# Altium PCB design.PcbDoc (part 2 of 4) (continued)
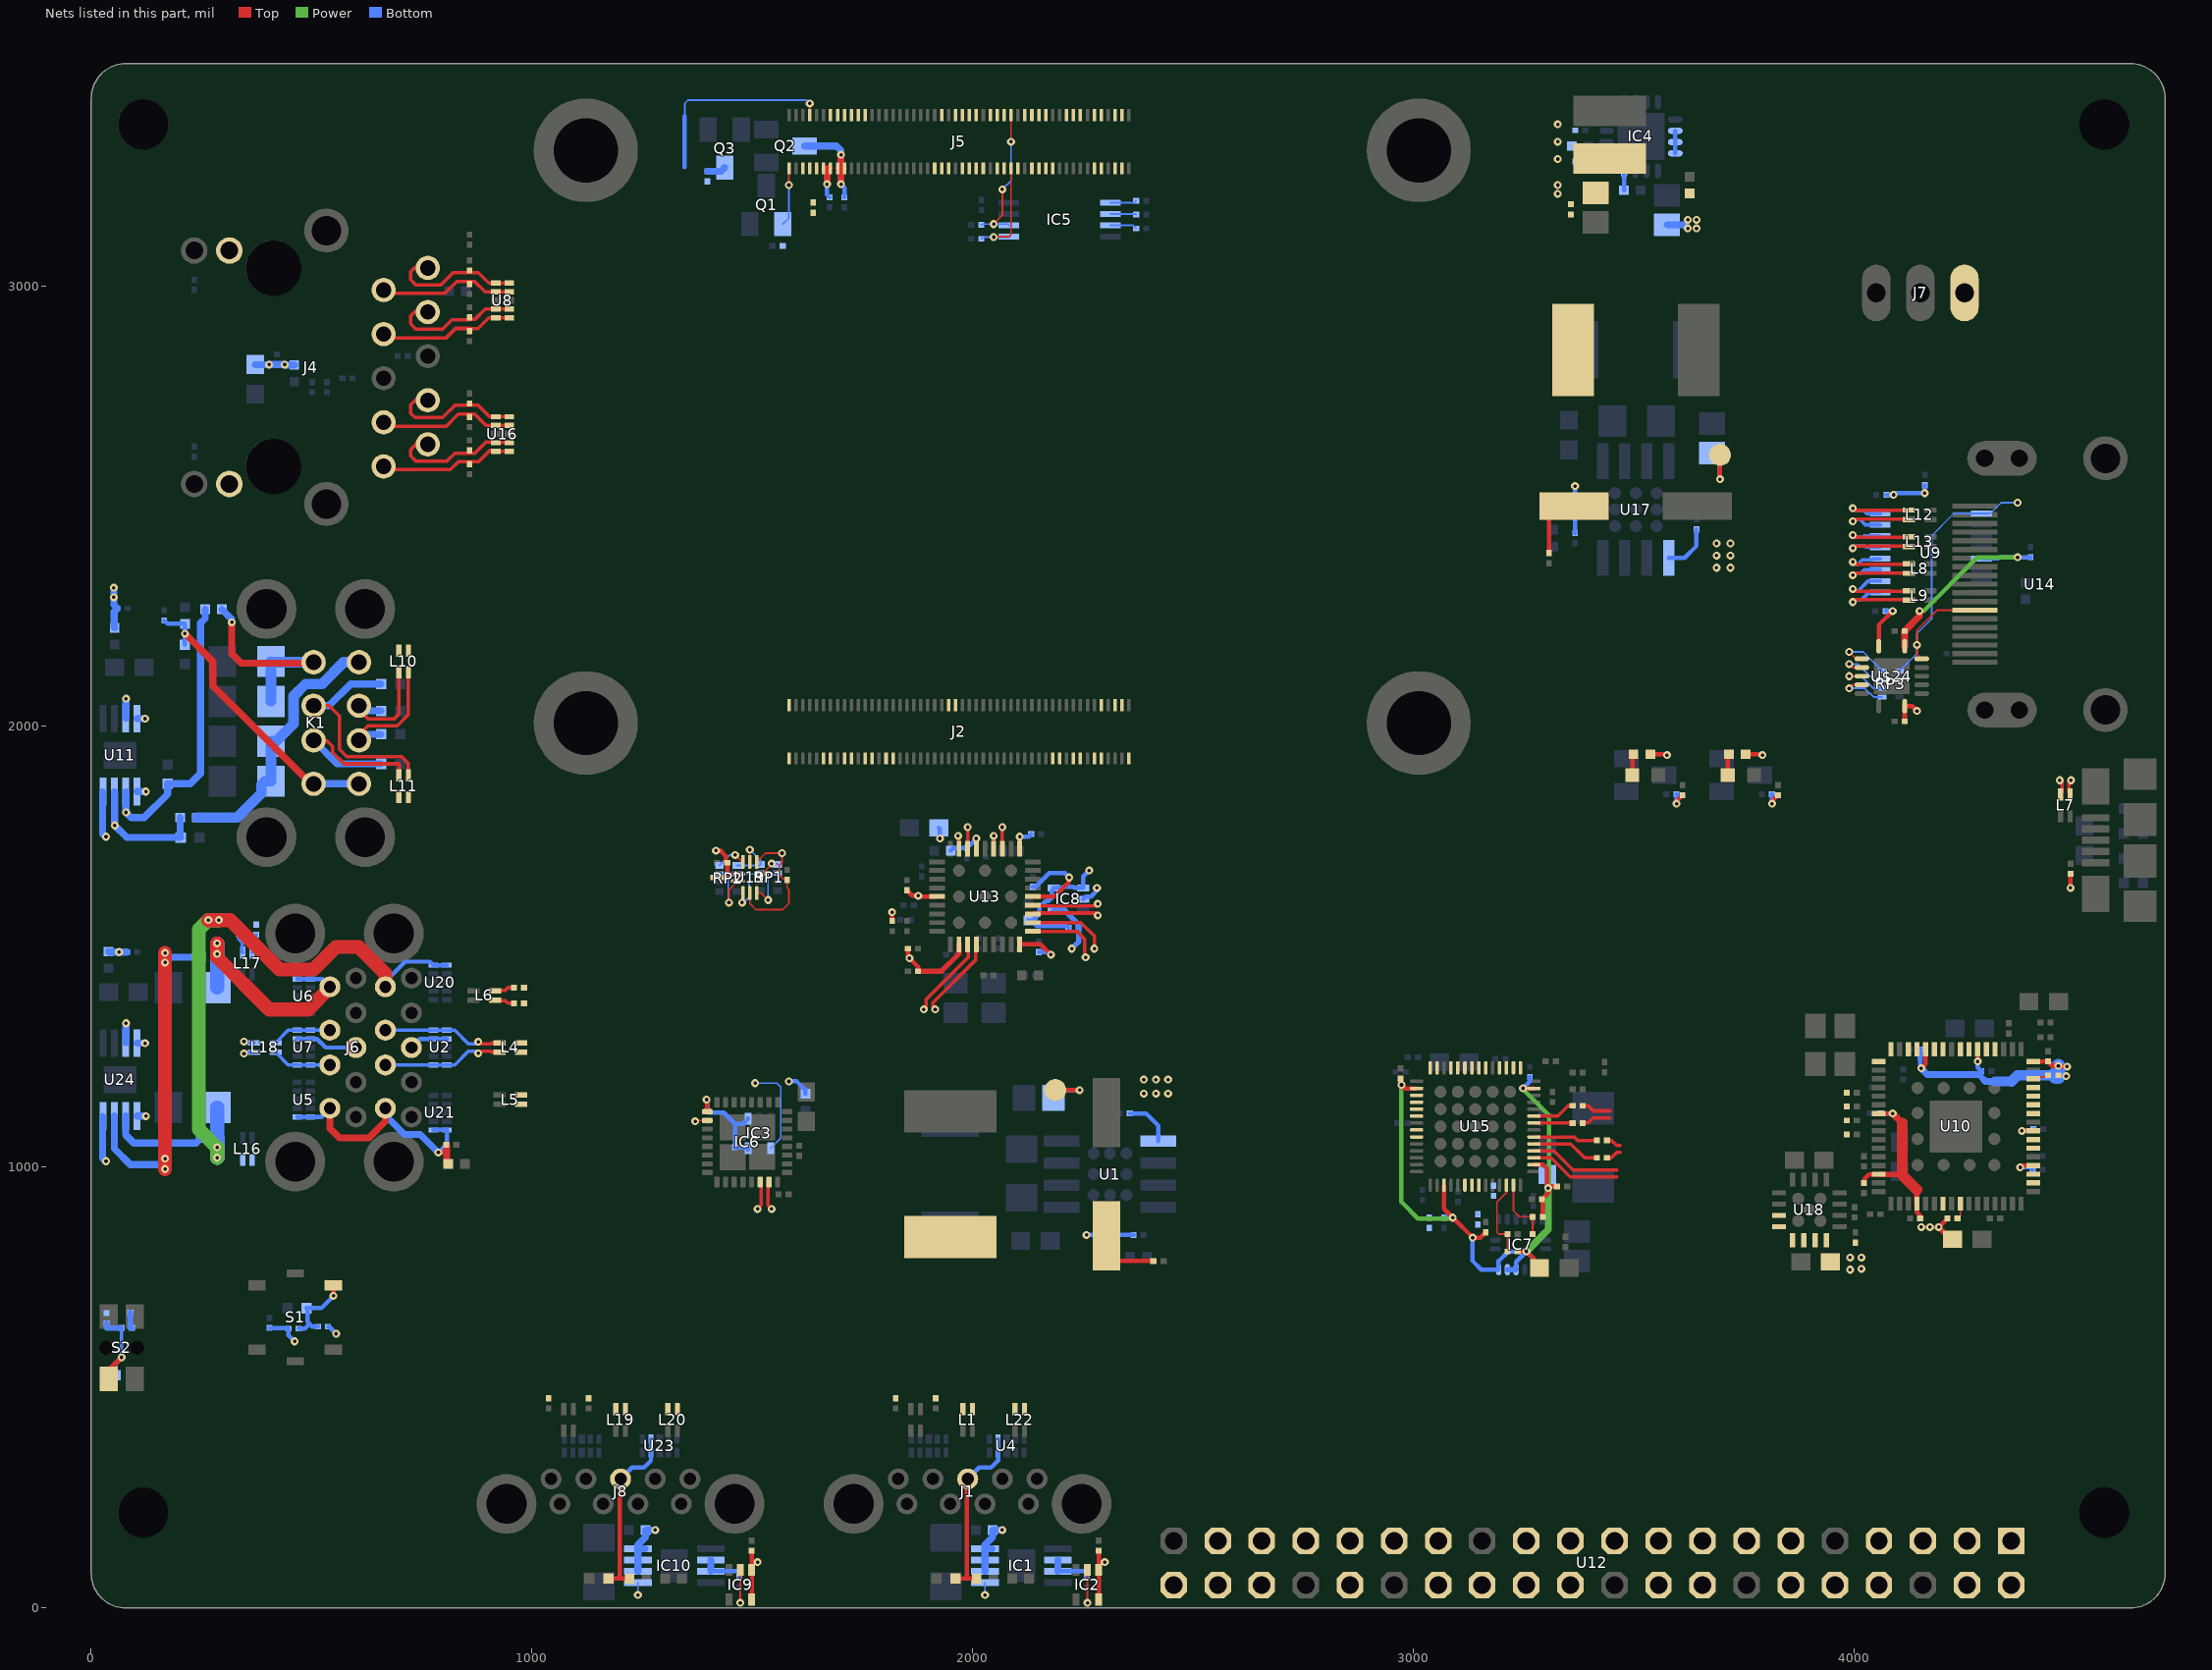
[diagram p4: the nets of this part, all layers, seen from the top]
## Nets (pads, with @x,y where several pads share a name; then routed paths per layer and width w, separated by ;. In a path a pad name is that pad's centre, name@x,y a point inside that pad or via, vN(x,y) a via of type N, cw(c..) or ccw(c..) an arc to the next point about the centre after c; other vN are vias at no path point) (continued)
  Top w7.87: J4.7@763.39,2740.16 734.25,2740.16 724.41,2730.32 724.41,2710.63 734.25,2700.79 797.1,2700.79 824.66,2728.35 857.87,2728.35 R23.1@858.27,2728.74 ; R23.1@858.27,2732.59 R23.1@858.27,2728.74 ; U16.10@948.23,2702.76 U16.1@917.91,2702.76 903.68,2702.76 878.09,2728.35 858.27,2728.35 R23.1@858.27,2728.74
14.1000BaseT_TR3_N: J4.10 J5.5 R58.1 U16.5 U16.6 | length 312.9
  Top w7.87: J4.10@663.39,2590.16 670.87,2582.68 815.1,2582.68 832.82,2600.39 R58.1@858.27,2600.39 ; R58.1@858.27,2595.36 R58.1@858.27,2600.39 ; U16.6@948.23,2624.02 U16.5@917.91,2624.02 917.91,2625.98 903.68,2625.98 878.09,2600.39 R58.1@858.27,2600.39
14.1000BaseT_TR3_P: J4.9 J5.3 R37.1 U16.4 U16.7 | length 312.7
  Top w7.87: J4.9@763.39,2640.16 736.61,2640.16 724.41,2627.95 724.41,2614.17 736.22,2602.36 806.95,2602.36 824.66,2620.08 R37.1@858.27,2620.08 ; R37.1@858.27,2626.3 R37.1@858.27,2620.08 ; U16.7@948.23,2643.7 U16.4@917.91,2643.7 917.91,2645.67 895.53,2645.67 869.94,2620.08 R37.1@858.27,2620.08
14.GPIO2_GPIO: J5.58 U12.3
14.GPIO3_GPIO: J5.56 U12.5
14.GPIO4_GPIO: J5.54 U12.7
14.GPIO5_GPIO: J5.34 U12.29
14.GPIO6_GPIO: J5.30 U12.31
14.GPIO7_GPIO: J5.37 U12.26
14.GPIO8_GPIO: J5.39 U12.24
14.GPIO9_GPIO: J5.40 U12.21
14.GPIO10_GPIO: J5.44 U12.19
14.GPIO11_GPIO: J5.38 U12.23
14.GPIO12_GPIO: J5.31 U12.32
14.GPIO13_GPIO: J5.28 U12.33
14.GPIO16_GPIO: J5.29 U12.36
14.GPIO17_GPIO: J5.50 U12.11
14.GPIO18_GPIO: J5.49 U12.12
14.GPIO19_GPIO: J5.26 U12.35
14.GPIO20_GPIO: J5.27 U12.38
14.GPIO21_GPIO: J5.25 U12.40
14.GPIO22_GPIO: J5.46 U12.15
14.GPIO23_GPIO: J5.47 R26.1 R28.2 U12.16 | length 46.5
  Top w10: v1(3812.99,1824.8) 3812.99,1830.63 R28.2@3826.38,1844.01
  Bottom w10: R26.1@3812.68,1846.46 3812.99,1846.15 v1(3812.99,1824.8)
14.GPIO24_GPIO: J5.45 U12.18
14.GPIO25_GPIO: J5.41 U12.22
14.GPIO26_GPIO: J5.24 U12.37
14.GPIO27_GPIO: J5.48 U12.13
14.HDMI0_CEC: J2.51 RP3.4 U$24.2 | length 127.8
  Top w4: v1(3988.19,2169.29) 4003.94,2153.54 U$24.2@4016.74,2153.54
  Bottom w4: v1(3988.19,2169.29) 4019.69,2169.29 RP3.4@4062.99,2125.99
14.HDMI0_CLOCK_N: J2.90 L9.2 U9.9 | length 206.4
  Top w7.87: v1(3996.06,2282.34) 3996.06,2287.4 4114.17,2287.4 4115.16,2286.42 L9.2@4123.03,2286.41
  Bottom w7.87: v1(3996.06,2282.34) 3996.06,2287.4 4015.89,2287.4 4032.62,2304.13 U9.9@4058.07,2304.13
14.HDMI0_CLOCK_P: J2.88 L9.3 U9.10 | length 210.3
  Top w7.87: v1(3996.06,2312.15) 3996.06,2307.09 4114.17,2307.09 4115.16,2308.07 L9.3@4123.03,2308.07
  Bottom w7.87: v1(3996.06,2312.15) 3996.06,2307.09 4007.73,2307.09 4030.37,2329.72 U9.10@4058.07,2329.72 U9.10@4059.06,2330.71
14.HDMI0_D0_N: J2.84 L8.2 U9.11 | length 207.9
  Top w7.87: v1(3996.06,2343.36) 3996.06,2348.43 4114.17,2348.43 4115.16,2347.44 L8.2@4123.03,2347.44
  Bottom w7.87: v1(3996.06,2343.36) 3996.06,2348.43 4015.89,2348.43 4022.78,2355.32 U9.11@4042.32,2355.32 ; U9.11@4039.37,2358.27 U9.11@4042.32,2355.32 ; U9.11@4059.06,2356.3 U9.11@4058.07,2355.31 U9.11@4042.32,2355.32
14.HDMI0_D0_P: J2.82 L8.3 U9.12 | length 206.8
  Top w7.87: v1(3996.06,2373.17) 3996.06,2368.11 4114.17,2368.11 4115.16,2369.09 L8.3@4123.03,2369.1
  Bottom w7.87: v1(3996.06,2373.17) 3996.06,2368.11 4007.73,2368.11 4017.58,2377.95 4039.37,2377.95 4041.34,2379.92 4059.06,2379.92 U9.12@4058.07,2380.9
14.HDMI0_D1_N: J2.78 L13.2 U9.13 | length 202.1
  Top w7.87: v1(3996.06,2404.39) 3996.06,2409.45 4114.17,2409.45 4115.16,2408.46 L13.2@4123.03,2408.46
  Bottom w7.87: v1(3996.06,2404.39) 3996.06,2409.45 4023.62,2409.45 4026.57,2406.5 U9.13@4058.07,2406.5 U9.13@4059.06,2407.48
14.HDMI0_D1_P: J2.76 L13.3 U9.14 | length 202.2
  Top w7.87: v1(3996.06,2434.2) 3996.06,2429.13 4114.17,2429.13 4115.16,2430.12 L13.3@4123.03,2430.12
  Bottom w7.87: v1(3996.06,2434.2) 3996.06,2429.13 4019.69,2429.13 4022.64,2432.09 U9.14@4058.07,2432.09 U9.14@4059.06,2431.1
14.HDMI0_D2_N: J2.72 L12.2 U9.15 | length 206.2
  Top w7.87: v1(3996.06,2465.41) 3996.06,2470.47 4122.05,2470.47 L12.2@4123.03,2469.49
  Bottom w7.87: v1(3996.06,2465.41) 3996.06,2470.47 4011.67,2470.47 4024.47,2457.68 U9.15@4058.07,2457.68 U9.15@4059.06,2456.69
14.HDMI0_D2_P: J2.70 L12.3 U9.16 | length 205.1
  Top w7.87: v1(3996.06,2495.22) 3996.06,2490.16 4122.05,2490.16 L12.3@4123.03,2491.14
  Bottom w7.87: v1(3996.06,2495.22) 3996.06,2490.16 4019.83,2490.16 4027.63,2482.35 U9.16@4058.99,2482.35 ; U9.16@4058.07,2483.27 U9.16@4058.99,2482.35 ; U9.16@4059.06,2482.28 U9.16@4058.99,2482.35
14.HDMI0_DDC_SCL: J2.100 RP3.3 U$24.3 | length 121.3
  Top w4: v1(3988.19,2141.73) 3996.06,2133.86 U$24.3@4016.74,2133.86
  Bottom w4: v1(3988.19,2141.73) 4007.87,2141.73 4043.31,2106.3 RP3.3@4062.99,2106.3
14.HDMI0_DDC_SDA: J2.99 RP3.2 U$24.4 | length 114.8
  Top w4: v1(3988.19,2114.17) U$24.4@4016.74,2114.17
  Bottom w4: v1(3988.19,2114.17) 4015.75,2114.17 4043.31,2086.61 RP3.2@4062.99,2086.62
14.HDMI0_HPD: J2.53 RP3.1 U$24.5 | length 114.8
  Top w4: v1(3988.19,2086.61) 3996.06,2094.49 U$24.5@4016.74,2094.48
  Bottom w4: v1(3988.19,2086.61) 4023.62,2086.61 4043.31,2066.93 RP3.1@4062.99,2066.93
14.HDMI0_LS_OE: 
14.I2C_ID_SCL: IC5.6 J5.35 R57.1 U12.28 | length 328.3
  Top w4: v1(2047.24,3139.76) 2066.93,3159.45 v1(2066.93,3218.5) ; v1(2086.61,3326.77) J5.35@2086.61,3387.4
  Bottom w4: R57.1@2019.37,3137.8 2021.34,3139.76 v1(2047.24,3139.76) 2078.74,3139.76 IC5.6@2081.69,3136.81 ; v1(2066.93,3218.5) 2086.61,3238.19 v1(2086.61,3326.77)
14.I2C_ID_SDA: IC5.5 J5.36 R56.1 U12.27 | length 256.2
  Top w4: v1(2047.24,3110.24) 2048.23,3111.22 2081.69,3111.22 2086.61,3116.14 J5.36@2086.61,3266.14
  Bottom w4: R56.1@2019.37,3106.3 2023.31,3110.24 v1(2047.24,3110.24) 2080.71,3110.24 IC5.5@2081.69,3111.22
14.nRESET_NRESET: C319.1 J5.92 R71.2 | length 38.4
  Bottom w12: C319.1@88.5,670.47 88.5,635.43 R71.2@91.82,635.43
14.PCIE_CLK_N: J2.12 U10.49
14.PCIE_CLK_P: J2.10 U10.48
14.PCIE_CLKREQ_GPIO: J2.2 R27.1 U10.9 | length 36
  Top w4: R27.1@4233.94,883.86 4240.16,890.07 U10.9@4240.15,917.32
14.PCIE_RST_GPIO: J2.9 R55.1 U10.30 | length 39.3
  Top w4: U10.30@4405.51,1200.79 4407.48,1198.82 4413.39,1204.72 4435.35,1204.72 ccw(c4435.35,1208.66) R55.1@4439.29,1208.66
14.PCIE_RX0_N: C273.1 J2.18
14.PCIE_RX0_P: C263.1 J2.16
14.PCIE_TX0_N: C253.1 J2.24
14.PCIE_TX0_P: C254.1 J2.22
14.SYS_EN_SYSEN: J5.100 Q1.1 R30.2 R40.1 R51.2 | length 178.6
  Top w4: v1(1582.68,3228.35) J5.100@1582.67,3266.14
  Top w10: v1(3596.46,1824.8) 3596.46,1830.63 R30.2@3609.84,1844.01
  Bottom w4: Q1.1@1568.9,3139.76 1582.68,3153.54 v1(1582.68,3228.35)
  Bottom w10: R40.1@3596.15,1846.46 3596.46,1846.15 v1(3596.46,1824.8)
14.UART0_RXD: J5.51 RP1.8 RP2.5 U19.9 | length 124.8
  Top w4: U19.9@1494.09,1692.91 v1(1494.09,1720.47)
  Bottom w4: RP2.5@1464.57,1685.04 1515.75,1685.04 RP1.8@1517.71,1687.01 1517.72,1696.85 v1(1494.09,1720.47)
14.UART0_TXD: J5.55 RP1.7 RP2.6 U19.3 | length 151
  Top w4: v1(1476.38,1600.39) 1478.35,1602.36 U19.3@1478.35,1622.05
  Bottom w4: RP2.6@1464.57,1665.35 1494.09,1665.35 ; v1(1476.38,1600.39) 1480.32,1600.39 1492.13,1612.2 1492.13,1663.39 1494.09,1665.35 ; RP1.7@1517.71,1667.32 1515.75,1665.35 1494.09,1665.35
14.USB3_CC1_GPIO: C1.1 J5.94 R2.2 | length 78.7
  Bottom w10: C1.1@404.33,635.74 446.06,635.74 R2.2@447.56,634.25 447.56,618.98 v1(461.42,605.12)
14.USB3_CC2_GPIO: J5.96 R38.2 U19.4 U19.8 | length 318.1
  Top w4: U19.4@1494.09,1622.05 1494.09,1598.43 1507.87,1584.65 1568.9,1584.65 1582.68,1598.43 1582.68,1629.92 1578.74,1633.86 R38.2@1578.74,1651.89 1572.52,1651.89 1561.02,1663.39 1561.02,1685.04 1566.93,1690.94 v1(1566.93,1712.6) 1529.53,1712.6 U19.8@1509.84,1692.91
14.USB_HOST_D_N: J2.3 U13.30 | length 190.5
  Top w7.87: v1(1888.58,1358.27) 1893.7,1363.39 1893.7,1380.74 1990.16,1477.19 1990.16,1503.94 U13.30@1988.19,1505.9
14.USB_HOST_D_P: J2.5 U13.31 | length 190.5
  Top w7.87: v1(1914.57,1358.27) 1909.45,1363.39 1909.45,1373.37 2005.91,1469.82 2005.91,1503.94 U13.31@2007.87,1505.9
14.USB_HOST_DRV_VBUS: IC8.2 R50.2 | length 45.6
  Bottom w10: IC8.2@2250,1608.27 2255.91,1614.17 2267.72,1614.17 2281.5,1627.95 v1(2281.5,1633.86)
14.USB_HOST_NOC: 
14.USB_HOST_VBUS: IC8.4 R60.1 | length 131.5
  Bottom w12: IC8.4@2183.08,1582.68 2208.66,1582.68 2239.85,1551.49 R60.1@2239.85,1543.31 2239.85,1511.5 v1(2224.41,1496.06)
14.VLOGIC_VLOGIC: C95.1 C256.1 C257.1 C261.1 C271.1 R1.2 R39.1 R49.1 R70.2 U19.1 U$24.1 U$24.8 | length 434.9
  Top w10: v1(1417.32,1718.5) 1427.17,1718.5 1438.98,1706.69 1438.98,1693.5 1442.6,1693.5 C256.1@1442.6,1690.94 C256.1@1442.6,1689.57 ; R39.1@1434.73,1657.48 1442.6,1665.35 C256.1@1442.6,1689.57 ; U19.1@1466.53,1665.35 1448.82,1665.35 1442.91,1671.26 1442.91,1689.57 C256.1@1442.6,1689.57 ; U$24.1@4055.12,2182.08 4055.12,2230.32 v1(4086.61,2261.81) ; U$24.8@4114.18,2046.26 4130.91,2046.26 v1(4141.73,2035.43)
  Top w12: C95.1@4114.17,2012.12 C95.1@4113.86,2011.81 4113.86,2045.95 U$24.8@4114.18,2046.26
  Bottom w10: R1.2@537.09,638.58 539.37,638.58 v1(555.51,622.44) ; C261.1@4070.56,2261.81 v1(4086.61,2261.81) ; C257.1@4072.52,2525.59 v1(4088.58,2525.59) 4092.52,2529.53 v1(4159.45,2529.53) C271.1@4159.45,2547.56
16.USBH1_D_N: U10.22 U15.46 | length 205.7
  Top w7.87: U15.46@3272.83,1037.4 3318.22,1037.4 3361.53,994.09 3460.63,994.09
16.USBH1_D_P: U10.23 U15.45 | length 205.7
  Top w7.87: U15.45@3272.83,1021.65 3311.7,1021.65 3355.01,978.35 3460.63,978.35
16.USBH1_DRV_VBUS: U10.26
16.USBH1_GND_DRAIN: 
16.USBH1_NOC: U10.28
16.USBH1_SSRX_N: C295.1 U10.46 | length 34.7
  Top w7.87: C295.1@3438.67,1061.02 3448.82,1061.02 3460.63,1049.21 3468.5,1049.21
16.USBH1_SSRX_P: C296.1 U10.45 | length 34.7
  Top w7.87: C296.1@3438.67,1021.65 3448.82,1021.65 3460.63,1033.46 3468.5,1033.46
16.USBH1_SSTX_N: C303.1 U10.43 | length 66.2
  Top w7.87: C303.1@3383.55,1139.76 3395.67,1139.76 3407.48,1127.95 3444.88,1127.95
16.USBH1_SSTX_P: C294.1 U10.42 | length 66.2
  Top w7.87: C294.1@3383.55,1100.39 3395.67,1100.39 3407.48,1112.2 3444.88,1112.2
16.USBH1_VBUS: 
16.USBH2_D_N: L19.2 U10.18
16.USBH2_D_P: L19.3 U10.19
16.USBH2_DRV_VBUS: IC9.2 U10.27 | length 74.8
  Top w4: v1(1472.44,11.81) IC9.2@1472.44,86.61
16.USBH2_GND_DRAIN: D16.P2 FB20.2 J8.DRAIN U23.4 U23.7 | length 410.7
  Top w10: D16.P2@1173.22,66.93 1198.82,66.93 ; J8.DRAIN@1200.79,292.91 1198.82,292.91 1198.82,66.93 ; FB20.2@1221.16,66.93 1198.82,66.93
  Bottom w10: J8.DRAIN@1200.79,292.91 1226.77,318.9 1253.94,318.9 1269.69,334.65 U23.7@1269.68,383.27
16.USBH2_NOC: IC10.5 U10.29 | length 28.5
  Bottom w4: v1(1240.16,29.53) IC10.5@1240.15,58.07
16.USBH2_SSRX_N: L20.3 U10.37
16.USBH2_SSRX_P: L20.2 U10.36
16.USBH2_SSTX_N: C311.1 U10.40
16.USBH2_SSTX_P: C312.1 U10.39
16.USBH2_VBUS: FB18.1 IC10.6 IC10.7 IC10.8 | length 138.7
  Bottom w16: IC10.6@1240.15,83.66 IC10.8@1240.15,134.85 ; IC10.8@1255.91,134.84 IC10.8@1240.15,134.85 ; v1(1279.53,177.17) FB18.1@1257.19,177.17 1257.19,160.73 1240.16,143.7 IC10.8@1240.15,134.85
18.USBH1_D_N: L10.2 U13.1 | length 168.8
  Top w7.87: U13.1@2135.83,1535.43 2236.22,1535.43 2253.94,1517.72 2253.94,1476.38 v1(2255.91,1476.38)
18.USBH1_D_P: L10.3 U13.2 | length 180.8
  Top w7.87: U13.2@2135.83,1555.11 2244.84,1555.12 2275.59,1524.37 v1(2275.59,1496.06)
18.USBH1_DRV_VBUS: U11.3 U13.12 | length 94.9
  Top w8: U13.12@2066.93,1722.44 v1(2066.93,1771.65)
  Bottom w12: U11.3@77.76,2017.72 U11.3@78.74,2018.7
  Bottom w16: U11.3@78.74,2018.7 v1(78.74,2062.99)
18.USBH1_NOC: U11.8 U13.13 | length 136.7
  Top w8: U13.13@2047.25,1722.44 v1(2047.24,1751.97)
  Bottom w12: U11.8@25.59,1851.38 U11.8@26.57,1852.36
  Bottom w16: U11.8@25.59,1851.38 25.59,1755.91 31.5,1750 v1(33.46,1750)
18.USBH1_VBUS: D3.P2 FB14.2 U11.7 | length 284
  Bottom w12: U11.7@52.16,1852.36 U11.7@53.15,1851.38
  Bottom w16: U11.7@53.15,1851.38 v1(53.15,1775.59) 80.71,1748.03 D3.P2@202.76,1748.03 201.47,1749.32 FB14.2@201.47,1793.31
18.USBH2_D_N: L11.2 U13.3 | length 150.6
  Top w7.87: U13.3@2135.83,1574.8 2137.8,1576.77 2278.35,1576.77 v1(2283.46,1571.65)
18.USBH2_D_P: L11.3 U13.4 | length 150.6
  Top w7.87: U13.4@2135.83,1594.48 2137.8,1592.52 2278.35,1592.52 v1(2283.46,1597.64)
18.USBH2_DRV_VBUS: U11.4 U13.16 | length 67.9
  Top w8: U13.16@1988.19,1722.44 v1(1988.19,1771.65)
  Bottom w16: U11.4@103.35,2017.72 v1(122.05,2017.72)
18.USBH2_NOC: U11.5 U13.17 | length 51
  Top w8: v1(1966.54,1751.97) 1968.5,1750 U13.17@1968.5,1722.44
  Bottom w16: U11.5@103.35,1852.36 v1(124.02,1852.36)
18.USBH2_VBUS: D7.P2 FB13.2 U11.6 | length 653.7
  Bottom w12: U11.6@77.76,1852.36 U11.6@78.74,1851.38
  Bottom w16: U11.6@78.74,1851.38 v1(78.74,1805.12) 90.55,1793.31 120.08,1793.31 173.23,1846.46 D7.P2@173.23,1870.08 224.41,1870.08 248.03,1893.7 248.03,2234.25 258.56,2244.78 FB13.2@258.56,2265.75
19.USBH1_D_N: L18.2 U15.2 | length 23.9
  Bottom w7.87: v1(346.46,1285.43) 349.41,1282.48 L18.2@369.09,1282.48
19.USBH1_D_P: L18.3 U15.1 | length 23.9
  Bottom w7.87: v1(346.46,1257.87) 349.41,1260.83 L18.3@369.09,1260.82
19.USBH1_DRV_VBUS: R65.2 U24.3 | length 45.7
  Bottom w12: U24.3@77.76,1281.5 U24.3@78.74,1282.48
  Bottom w16: U24.3@78.74,1282.48 v1(78.74,1326.77)
19.USBH1_GND_DRAIN: J6.7 U7.2 U7.9 | length 141.4
  Bottom w10: U7.9@467.12,1291.34 U7.2@497.44,1291.34 512.2,1291.34 531.89,1271.65 J6.7@600.4,1271.65
19.USBH1_NOC: R65.1 U15.36 U24.8 | length 107.2
  Bottom w12: U24.8@25.59,1115.16 U24.8@26.57,1116.14
  Bottom w16: U24.8@25.59,1115.16 25.59,1019.69 31.5,1013.78 v1(33.46,1013.78)
19.USBH1_SSRX_N: L16.3 U15.7
19.USBH1_SSRX_P: L16.2 U15.6
19.USBH1_SSTX_N: C9.1 U15.4
19.USBH1_SSTX_P: C8.1 U15.3
19.USBH1_VBUS: FB4.2 U24.7 | length 820.9
  Top w32: v1(167.32,996.06) v1(167.32,1019.69) v1(167.32,1464.57) v1(167.32,1486.22)
  Bottom w16: U24.7@52.16,1116.14 52.17,1042.32 88.58,1005.91 167.32,1005.91 ; v1(167.32,996.06) 167.32,1005.91 ; v1(167.32,1019.69) 167.32,1005.91 ; v1(167.32,1464.57) 167.32,1476.38 ; v1(167.32,1486.22) 167.32,1476.38 ; FB4.2@248.72,1476.38 167.32,1476.38
19.USBH2_D_N: L4.2 U15.9
19.USBH2_D_P: L4.3 U15.8
19.USBH2_DRV_VBUS: R69.2 U24.4 | length 18.7
  Bottom w16: U24.4@103.35,1281.5 v1(122.05,1281.5)
19.USBH2_GND_DRAIN: J6.16 U2.4 U2.7 | length 88.3
  Bottom w10: J6.16@726.38,1271.65 746.06,1291.34 U2.4@776.18,1291.34 U2.7@806.5,1291.34
19.USBH2_NOC: R69.1 U15.35 U24.5 | length 21.1
  Bottom w4: R69.1@3145.36,893.7 R69.1@3145.67,893.39
  Bottom w16: U24.5@103.35,1116.14 v1(124.02,1116.14)
19.USBH2_SSRX_N: L5.3 U15.14
19.USBH2_SSRX_P: L5.2 U15.13
19.USBH2_SSTX_N: C11.1 U15.11
19.USBH2_SSTX_P: C10.1 U15.10
19.USBH2_VBUS: FB17.2 U24.6 | length 226.7
  Bottom w16: U24.6@77.76,1116.14 77.76,1073.82 96.46,1055.12 238.19,1055.12 238.19,1056.4 FB17.2@248.72,1066.93
19.USBH3_D_N: L1.2 U15.18
19.USBH3_D_P: L1.3 U15.17
19.USBH3_DRV_VBUS: IC2.2 R3.2 | length 74.8
  Top w4: v1(2259.84,11.81) IC2.2@2259.84,86.61
19.USBH3_GND_DRAIN: D17.P2 FB3.2 J1.DRAIN U4.4 U4.7 | length 410.7
  Top w10: D17.P2@1960.63,66.93 1986.22,66.93 ; J1.DRAIN@1988.19,292.91 1986.22,292.91 1986.22,66.93 ; FB3.2@2008.56,66.93 1986.22,66.93
  Bottom w10: J1.DRAIN@1988.19,292.91 2014.17,318.9 2041.34,318.9 2057.09,334.65 U4.7@2057.08,383.27
19.USBH3_NOC: IC1.5 R3.1 U15.34 | length 28.5
  Bottom w4: v1(2027.56,29.53) IC1.5@2027.56,58.07
19.USBH3_SSRX_N: L22.3 U15.23
19.USBH3_SSRX_P: L22.2 U15.22
19.USBH3_SSTX_N: C5.1 U15.20
19.USBH3_SSTX_P: C6.1 U15.19
19.USBH3_VBUS: FB1.1 IC1.6 IC1.7 IC1.8 | length 138.7
  Bottom w16: IC1.6@2027.56,83.66 IC1.8@2027.56,134.85 ; IC1.8@2043.31,134.84 IC1.8@2027.56,134.85 ; v1(2066.93,177.17) FB1.1@2044.59,177.17 2044.59,160.73 2027.56,143.7 IC1.8@2027.56,134.85
21.5.5-16V_VCC_BATT: J7.3 R18.1 R68.1 TP1.1 TP2.1 | length 236.9
  Top w10: TP1.1@2187.01,1175.2 v1(2242.13,1175.2) ; v1(3694.88,2561.02) TP2.1@3694.88,2616.14
  Bottom w10: R68.1@2178.82,1175.2 v1(2242.13,1175.2) ; v1(3694.88,2561.02) R18.1@3694.88,2624.33
  other v1: 2387.8,1167.32 2415.35,1167.32 2442.91,1167.32 2387.8,1198.82 2415.35,1198.82 2442.91,1198.82 3687.01,2360.24 3718.5,2360.24 3687.01,2387.8 3718.5,2387.8 3687.01,2415.35 3718.5,2415.35
24.5.0V_VCC_5.0: C78.1 C79.+ C304.1 C309.1 C318.1 FB16.1 IC1.2 IC1.3 IC10.2 IC10.3 L2.2 R12.1 | length 519.8
  Top w10: C79.+@2303.15,787.4 C78.1@2409.76,787.4
  Top w24: C79.+@2303.15,787.4 C79.+@2303.15,844.49
  Bottom w10: IC10.3@1405.51,83.66 1470.47,83.66 C309.1@1470.47,70.56 ; IC1.3@2192.92,83.66 2257.87,83.66 C318.1@2257.87,70.56 ; v1(2257.87,846.46) R12.1@2364.48,846.46
  Bottom w16: FB16.1@39.37,1489.47 40.65,1488.19 v1(62.99,1488.19) C304.1@81.02,1488.19 ; IC10.3@1405.51,83.66 IC10.2@1405.51,109.25 ; IC1.3@2192.92,83.66 IC1.2@2192.91,109.25
!RPIBOOT$14: J5.93 | length 460.7
  Top w4: J5.93@1629.92,3387.4 v1(1629.92,3413.39)
  Bottom w4: 1346.46,3384.84 1346.46,3413.39 1354.33,3421.26 1622.05,3421.26 v1(1629.92,3413.39)
  Bottom w10: 1346.46,3268.7 1346.46,3384.84
!SPI_CS$16: U10.7
A0$14: IC5.1 R54.2 | length 60.4
  Bottom w4: IC5.1@2312.01,3188 2365.47,3187.99 R54.2@2370.39,3192.91
A1$14: IC5.2 R53.2 | length 58.8
  Bottom w4: IC5.2@2312.01,3162.41 2369.41,3162.4 R53.2@2370.39,3161.42
A2$14: IC5.3 R52.2 | length 61.2
  Bottom w4: IC5.3@2312.01,3136.81 2363.5,3136.81 R52.2@2370.39,3129.92
A_GNDF$17: C274.1 D4.P2 FB12.2 K1.A4 K1.B4 | length 666.5
  Top w16: v1(212.6,2210.63) 275.59,2147.64 275.59,2092.52 498.03,1870.08 K1.B4@504.33,1870.07
  Bottom w10: C274.1@165.35,2240.47 172.85,2232.97 FB12.2@212.6,2232.97 v1(212.6,2210.63) D4.P2@212.6,2185.04
  Bottom w16: K1.B4@504.33,1870.07 K1.A4@607.48,1870.07
A_GNDF$20: C305.1 FB15.2 J6.4 J6.13 U5.1 U5.10 U21.1 U21.10 | length 634.8
  Top w10: v1(787.4,1033.46) 804.53,1033.46 806.5,1031.5
  Top w16: J6.4@541.34,1133.86 541.34,1088.58 562.99,1066.93 629.92,1066.93 667.32,1104.33 J6.13@667.32,1133.86 ; C305.1@805.43,1051.18 806.5,1050.11 806.5,1031.5 806.5,1007.87 FB15.2@809.74,1007.87
  Bottom w10: U5.1@467.12,1114.17 U5.10@497.44,1114.17 521.65,1114.17 J6.4@541.34,1133.86 ; U21.1@776.18,1084.65 U21.10@806.5,1084.65 806.5,1052.56 v1(787.4,1033.46)
  Bottom w16: J6.13@667.32,1133.86 667.32,1118.11 710.63,1074.8 746.06,1074.8 v1(787.4,1033.46)
A_USB_D_N$17: D15.P2 K1.A2 L10.1 | length 262.1
  Top w7.87: K1.A2@607.48,2047.24 607.48,2038.19 627.95,2017.72 687.68,2017.72 697.83,2027.87 L10.1@697.83,2123.03
  Bottom w16: K1.A2@607.48,2047.24 619.29,2035.43 D15.P2@657.48,2035.43
A_USB_D_N$20: J6.2 L18.1 U7.1 U7.10 | length 134.9
  Bottom w7.87: L18.1@418.31,1282.48 446.85,1311.02 U7.1@497.44,1311.02 J6.2@541.34,1311.02
A_USB_D_P$17: D2.P2 K1.A3 L10.4 | length 295.4
  Top w7.87: K1.A3@607.48,1968.5 607.48,1981.5 627.95,2001.97 694.21,2001.97 719.49,2027.25 L10.4@719.49,2123.03
  Bottom w16: K1.A3@607.48,1968.5 621.26,1982.28 D2.P2@657.48,1982.28
A_USB_D_P$20: J6.3 L18.4 U7.5 U7.6 | length 134.9
  Bottom w7.87: L18.4@418.31,1260.82 446.85,1232.28 U7.5@497.44,1232.28 J6.3@541.34,1232.28
A_VBUS_$17: C276.1 C277.1 FB14.1 K1.A1 | length 615.4
  Bottom w24: FB14.1@239.47,1793.31 330.71,1793.31 385.83,1848.43 385.83,1868.11 393.7,1875.98 C277.1@407.48,1875.98 C276.1@407.48,1966.54 419.29,1966.54 431.1,1978.35 446.85,1994.09 458.66,2005.91 458.66,2068.9 486.22,2096.46 523.62,2096.46 572.83,2145.67 K1.A1@607.48,2145.67
A_VBUS_$20: C306.1 FB4.1 J6.1 U6.1 U6.10 | length 549
  Top w32: v1(285.43,1507.87) v1(285.43,1484.25) 285.43,1476.38 403.54,1358.27 492.13,1358.27 541.34,1407.48 J6.1@541.34,1409.45
  Bottom w10: U6.10@467.12,1427.17 U6.1@497.44,1427.17 523.62,1427.17 J6.1@541.34,1409.45
  Bottom w32: C306.1@285.44,1407.48 v1(285.43,1484.25) ; v1(285.43,1507.87) v1(285.43,1484.25) ; FB4.1@286.72,1476.38 286.72,1482.97 v1(285.43,1484.25)
ANODE$9: D13.A R45.1 | length 48.3
  Top w10: D13.A@3712.6,1889.76 3712.6,1934.35 R45.1@3715.25,1937.01
ANODE$10: D8.A R29.1 | length 48.4
  Top w10: D8.A@3496.06,1889.76 3496.06,1934.35 R29.1@3498.72,1937.01
B_USB_D_N$17: D5.P2 K1.B2 L11.1 | length 514.3
  Top w7.87: K1.B2@504.33,2047.24 539.37,2047.24 562.99,2023.62 562.99,1948.14 580.03,1931.1 704.05,1931.1 719.49,1915.66 L11.1@719.49,1888.78
  Bottom w16: K1.B2@504.33,2047.24 539.37,2047.24 588.58,2096.46 D5.P2@657.48,2096.46
B_USB_D_N$20: J6.11 L4.1 U2.5 U2.6 | length 283.2
  Top w7.87: v1(877.95,1284.59) 877.95,1279.53 905.51,1279.53 908.46,1282.48 L4.1@926.18,1282.48
  Bottom w7.87: J6.11@667.32,1311.02 U2.5@776.18,1311.02 U2.6@806.5,1311.02 824.8,1311.02 856.3,1279.53 877.95,1279.53 v1(877.95,1284.59)
B_USB_D_P$17: D6.P2 K1.B3 L11.4 | length 425.9
  Top w7.87: K1.B3@504.33,1968.5 533.46,1968.5 547.24,1954.72 547.24,1941.62 573.51,1915.35 697.53,1915.35 699.16,1913.72 699.16,1890.1 L11.4@697.83,1888.78
  Bottom w16: K1.B3@504.33,1968.5 557.48,1915.35 D6.P2@657.48,1915.35
B_USB_D_P$20: J6.12 L4.4 U2.1 U2.10 | length 283.2
  Top w7.87: v1(877.95,1258.72) 877.95,1263.78 905.51,1263.78 908.46,1260.83 L4.4@926.18,1260.82
  Bottom w7.87: J6.12@667.32,1232.28 U2.1@776.18,1232.28 U2.10@806.5,1232.28 824.8,1232.28 856.3,1263.78 877.95,1263.78 v1(877.95,1258.72)
B_VBUS_$17: C278.1 C279.1 FB13.1 K1.B1 | length 493.1
  Top w16: v1(318.9,2236.22) 318.9,2165.35 340.55,2143.7 502.36,2143.7 K1.B1@504.33,2145.67
  Bottom w16: FB13.1@296.56,2265.75 318.9,2243.41 v1(318.9,2236.22)
  Bottom w24: C278.1@407.48,2057.09 C279.1@407.48,2147.64 409.45,2145.67 K1.B1@504.33,2145.67
B_VBUS_$20: C7.1 FB17.1 J6.10 U20.5 U20.6 | length 1407
  Top w32: v1(265.75,1561.02) v1(289.37,1561.02) 314.96,1561.02 427.17,1448.82 503.94,1448.82 555.12,1500 606.3,1500 667.32,1438.98 J6.10@667.32,1409.45
  Power w32: v1(285.43,1021.65) v1(285.43,1045.28) 244.09,1086.61 244.09,1539.37 v1(265.75,1561.02) v1(289.37,1561.02)
  Bottom w10: J6.10@667.32,1409.45 667.32,1421.26 712.6,1466.54 768.31,1466.54 U20.5@776.18,1458.66 ; U20.5@772.24,1462.6 U20.5@776.18,1458.66 ; U20.6@806.5,1458.66 U20.5@776.18,1458.66
  Bottom w32: v1(285.43,1021.65) 286.72,1022.94 FB17.1@286.72,1066.93 285.43,1068.21 C7.1@285.44,1135.83
BOOT$2: C315.1 U17.1 | length 111.5
  Bottom w10: U17.1@3578.94,2382.29 3614.17,2382.28 3641.73,2409.84 C315.1@3641.73,2447.16
BOOT$24: C52.1 U1.1 | length 111.5
  Bottom w10: C52.1@2355.99,1122.05 2393.31,1122.05 2420.87,1094.49 U1.1@2420.86,1059.25
BTN_A$25: D19.P2 R70.1 R71.1 S2.B@2 | length 219.2
  Top w12: 39.37,519.68 39.37,539.37 v1(68.9,568.9)
  Bottom w7.87: v1(68.9,568.9) R71.1@68.9,635.43
  Bottom w12: R70.1@34.65,645.98 34.65,635.43 R71.1@68.82,635.43 R71.1@68.9,635.43 ; D19.P2@54.73,528.35 54.72,554.72 v1(68.9,568.9)
BTN_A$26: D1.P2 R1.1 R2.1 S1.B@2 | length 185.7
  Top w10: 549.21,732.28 549.61,732.28 v1(549.61,708.27)
  Bottom w10: R2.1@470.56,634.25 484.65,634.25 495.08,644.68 ; R1.1@514.09,638.58 501.18,638.58 495.08,644.68 ; v1(549.61,708.27) 521.65,680.32 D1.P2@488.58,680.32 490.16,678.74 490.16,649.61 495.08,644.68
CAP_A_TX_N$20: C9.2 L17.3 | length 44.3
  Bottom w7.87: C9.2@334.65,1527.87 334.65,1517.72 342.52,1509.84 342.52,1488.19 L17.3@343.5,1487.21
CAP_A_TX_P$20: C8.2 L17.2 | length 44.3
  Bottom w7.87: L17.2@365.16,1487.21 366.14,1488.19 366.14,1509.84 374.02,1517.72 C8.2@374.02,1527.87
CAP_B_TX_N$20: C11.2 L6.3 | length 45.5
  Top w7.87: L6.3@916.34,1378.93 917.32,1377.95 938.98,1377.95 944.88,1372.05 C11.2@958.97,1372.05
CAP_B_TX_P$20: C10.2 L6.2 | length 45.5
  Top w7.87: L6.2@916.34,1400.59 917.32,1401.57 938.98,1401.57 944.88,1407.48 C10.2@958.97,1407.48
CAP_RXD_N$19: C295.2 U15.48 | length 146.1
  Top w7.87: U15.48@3272.83,1068.9 3364.17,1068.9 3372.05,1061.02 C295.2@3415.67,1061.02
CAP_RXD_P$19: C296.2 U15.47 | length 155.9
  Top w7.87: U15.47@3272.83,1053.15 3356.3,1053.15 3387.8,1021.65 C296.2@3415.67,1021.65
CAP_TXD_N$19: C303.2 U15.51 | length 97.5
  Top w7.87: U15.51@3272.83,1116.14 3326.77,1116.14 3350.39,1139.76 C303.2@3360.55,1139.76
CAP_TXD_P$19: C294.2 U15.50 | length 87.7
  Top w7.87: U15.50@3272.83,1100.39 C294.2@3360.55,1100.39
CEC$12: RP3.5 U9.1 U14.13 U$24.13 | length 782.8
  Top w4: U$24.13@4152.56,2153.54 4141.73,2164.37 v1(4141.73,2185.04) 4141.73,2218.5 4187.01,2263.78 U14.13@4273.23,2263.77
  Bottom w4: RP3.5@4102.37,2125.99 4141.73,2165.35 v1(4141.73,2185.04) 4141.73,2210.63 4175.2,2244.09 4175.2,2433.07 4225.39,2483.27 U9.1@4288.39,2483.27 4308.07,2483.27 4332.68,2507.87 v1(4370.08,2507.87)
CFG_BC_EN$19: R11.2 R67.1 U15.40 | length 181
  Top w4: U15.40@3210.63,959.45 3210.63,942.91 3188.98,921.26 3188.98,852.36 3192.91,848.43 R11.2@3212.91,848.43 R67.1@3212.91,809.06
CFG_NON_REM$19: R9.1 R10.2 U15.41 | length 146.6
  Top w4: U15.41@3226.37,959.45 3226.38,901.57 3240.16,887.8 R9.1@3270,887.8 R10.2@3270,848.43
CO_SSRX_B$22: 
CO_SSRX_B$23: 
CO_SSRX_T$22: 
CO_SSRX_T$23: 
CO_SSTX_B$22: 
CO_SSTX_B$23: 
CO_SSTX_T$22: 
CO_SSTX_T$23: 